# KiCad board kunji-patol-kicad.kicad_pcb
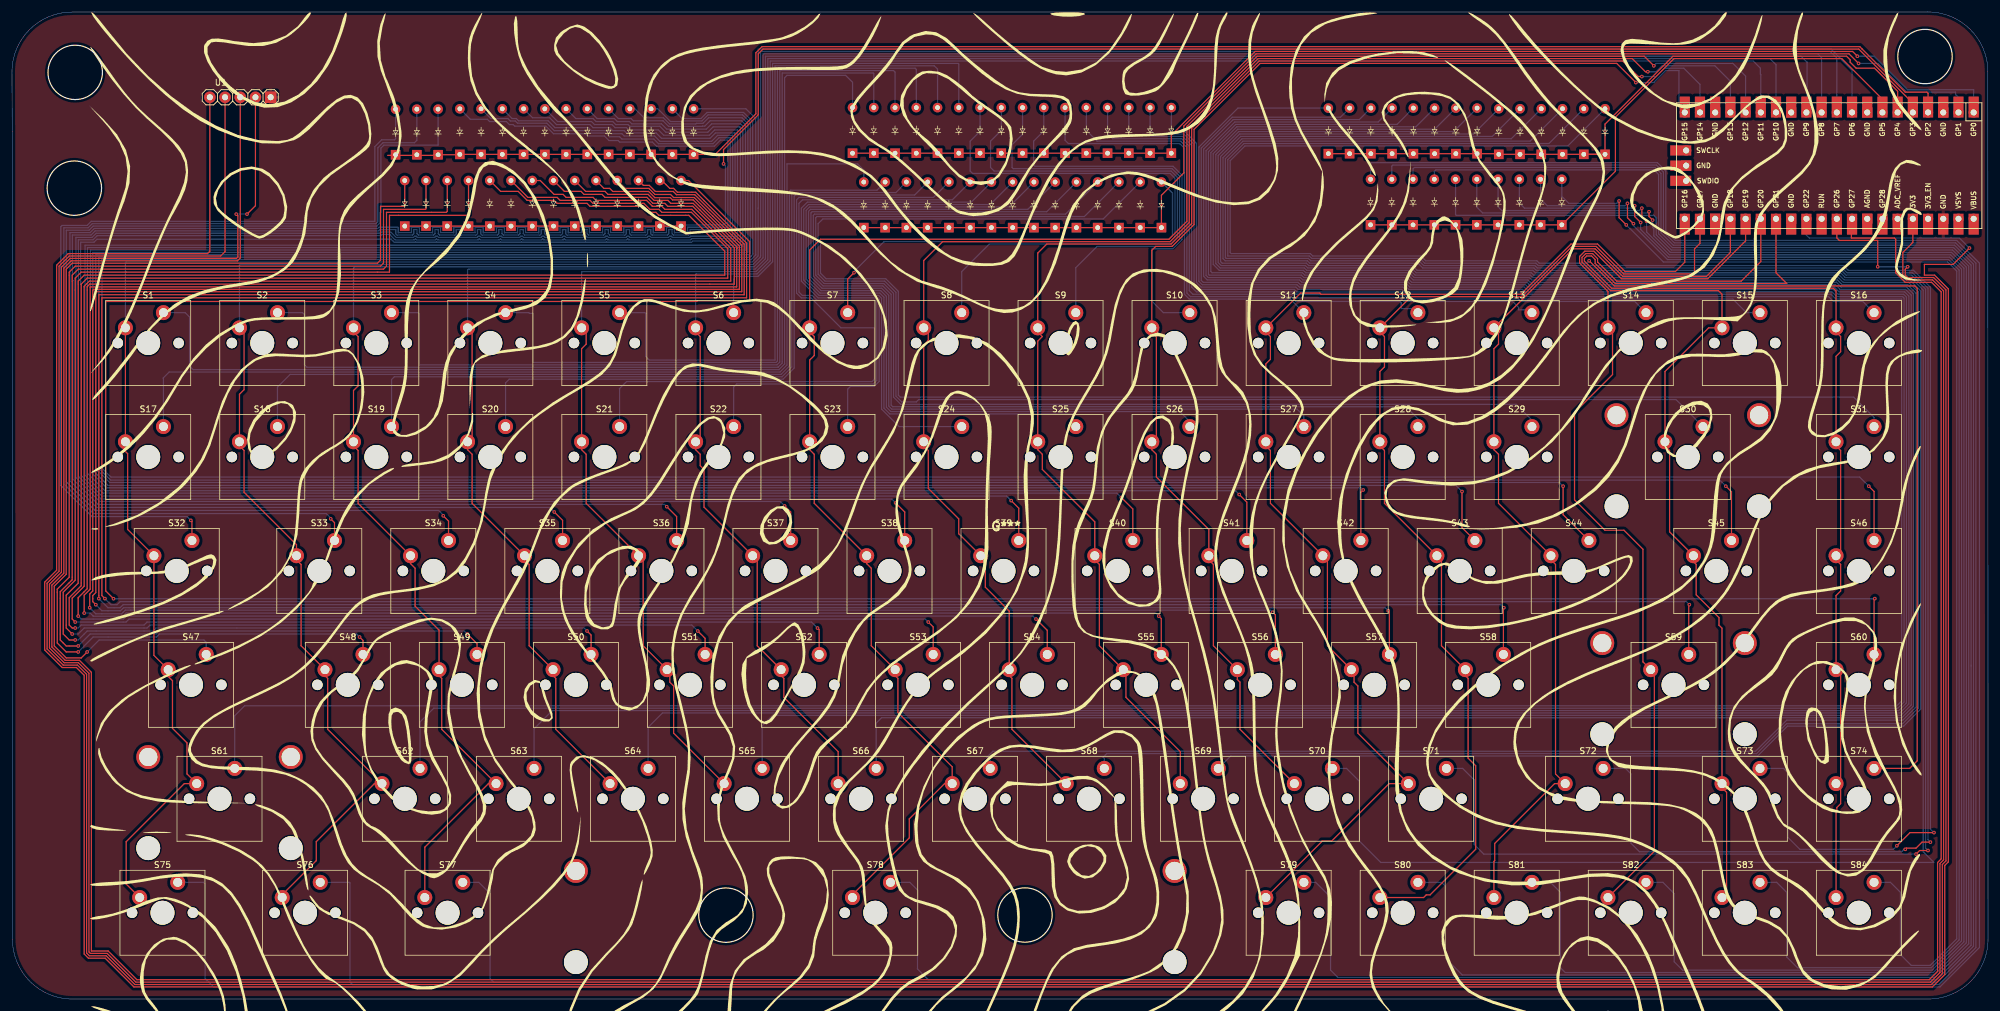
[diagram p0: board, top side]
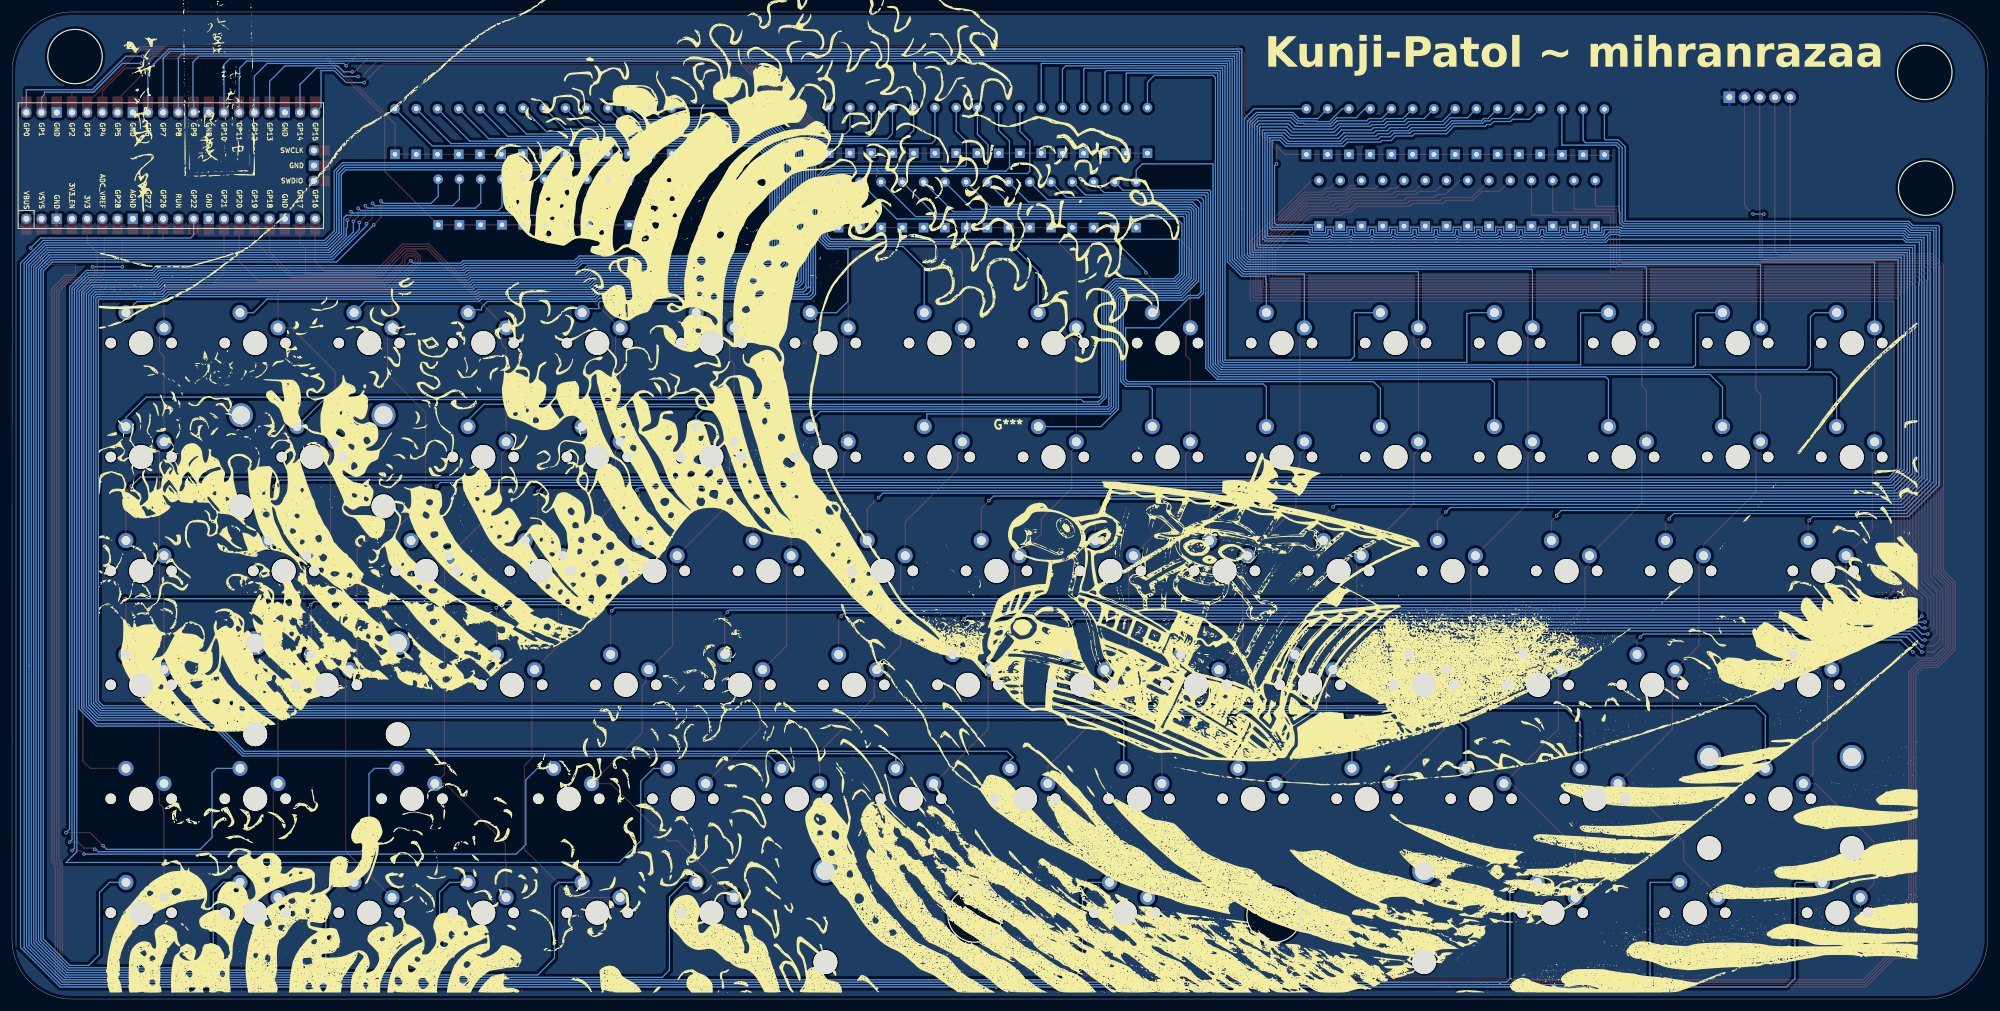
[diagram p1: board, bottom side, seen from below]

Outline 330.09 x 165.03 mm; copper layers: Top, Bottom. Coordinates in mm from the lower left corner of the outline.
Outline path: circle c10.42,135.57 r4.55 ; circle c10.56,154.93 r4.55 ; circle c119.26,14.03 r4.55 ; circle c169.22,14.05 r4.55 ; circle c319.56,157.57 r4.55 ; 0,155.01 arc(2.93,162.08) 10,165.01 10.13,165.03 320.06,165.03 arc(327.13,162.1) 330.06,155.03 330.09,10 arc(327.16,2.93) 320.09,0 10.08,0 arc(3.01,2.93) 0.08,10 0.03,145.01 0.03,145.08 0,155.01

## Placement (name value [footprint] x y rotation side)
D1  ~  [Diode_DO-35]  140.41 141.42 90 top
D2  ~  [Diode_DO-35]  143.96 141.42 90 top
D3  ~  [Diode_DO-35]  147.51 141.42 90 top
D4  ~  [Diode_DO-35]  151.06 141.42 90 top
D5  ~  [Diode_DO-35]  154.61 141.42 90 top
D6  ~  [Diode_DO-35]  158.16 141.42 90 top
D7  ~  [Diode_DO-35]  161.71 141.42 90 top
D8  ~  [Diode_DO-35]  165.26 141.42 90 top
D9  ~  [Diode_DO-35]  168.81 141.42 90 top
D10  ~  [Diode_DO-35]  172.36 141.42 90 top
D11  ~  [Diode_DO-35]  175.91 141.42 90 top
D12  ~  [Diode_DO-35]  179.46 141.42 90 top
D13  ~  [Diode_DO-35]  183.01 141.42 90 top
D14  ~  [Diode_DO-35]  186.56 141.42 90 top
D15  ~  [Diode_DO-35]  190.11 141.42 90 top
D16  ~  [Diode_DO-35]  193.66 141.42 90 top
D17  ~  [Diode_DO-35]  142.29 128.98 90 top
D18  ~  [Diode_DO-35]  145.86 128.98 90 top
D19  ~  [Diode_DO-35]  149.41 128.98 90 top
D20  ~  [Diode_DO-35]  152.96 128.98 90 top
D21  ~  [Diode_DO-35]  156.51 128.98 90 top
D22  ~  [Diode_DO-35]  160.06 128.98 90 top
D23  ~  [Diode_DO-35]  163.61 128.98 90 top
D24  ~  [Diode_DO-35]  167.16 128.98 90 top
D25  ~  [Diode_DO-35]  170.71 128.98 90 top
D26  ~  [Diode_DO-35]  174.26 128.98 90 top
D27  ~  [Diode_DO-35]  177.81 128.98 90 top
D28  ~  [Diode_DO-35]  181.36 128.98 90 top
D29  ~  [Diode_DO-35]  184.91 128.98 90 top
D30  ~  [Diode_DO-35]  188.46 128.98 90 top
D31  ~  [Diode_DO-35]  192.01 128.98 90 top
D32  ~  [Diode_DO-35]  64.08 141.16 90 top
D33  ~  [Diode_DO-35]  67.63 141.16 90 top
D34  ~  [Diode_DO-35]  71.18 141.16 90 top
D35  ~  [Diode_DO-35]  74.81 141.22 90 top
D36  ~  [Diode_DO-35]  78.36 141.22 90 top
D37  ~  [Diode_DO-35]  81.91 141.22 90 top
D38  ~  [Diode_DO-35]  85.46 141.22 90 top
D39  ~  [Diode_DO-35]  89.01 141.22 90 top
D40  ~  [Diode_DO-35]  92.56 141.22 90 top
D41  ~  [Diode_DO-35]  96.11 141.22 90 top
D42  ~  [Diode_DO-35]  99.66 141.22 90 top
D43  ~  [Diode_DO-35]  103.21 141.22 90 top
D44  ~  [Diode_DO-35]  106.76 141.22 90 top
D45  ~  [Diode_DO-35]  110.31 141.22 90 top
D46  ~  [Diode_DO-35]  113.86 141.22 90 top
D47  ~  [Diode_DO-35]  65.61 129.23 90 top
D48  ~  [Diode_DO-35]  69.16 129.23 90 top
D49  ~  [Diode_DO-35]  72.71 129.23 90 top
D50  ~  [Diode_DO-35]  76.26 129.23 90 top
D51  ~  [Diode_DO-35]  79.81 129.23 90 top
D52  ~  [Diode_DO-35]  83.36 129.23 90 top
D53  ~  [Diode_DO-35]  86.91 129.23 90 top
D54  ~  [Diode_DO-35]  90.46 129.23 90 top
D55  ~  [Diode_DO-35]  94.01 129.23 90 top
D56  ~  [Diode_DO-35]  97.56 129.23 90 top
D57  ~  [Diode_DO-35]  101.11 129.23 90 top
D58  ~  [Diode_DO-35]  104.66 129.23 90 top
D59  ~  [Diode_DO-35]  108.21 129.23 90 top
D60  ~  [Diode_DO-35]  111.76 129.23 90 top
D61  ~  [Diode_DO-35]  219.89 141.34 90 top
D62  ~  [Diode_DO-35]  223.44 141.34 90 top
D63  ~  [Diode_DO-35]  226.99 141.34 90 top
D64  ~  [Diode_DO-35]  230.54 141.34 90 top
D65  ~  [Diode_DO-35]  234.09 141.34 90 top
D66  ~  [Diode_DO-35]  237.64 141.34 90 top
D67  ~  [Diode_DO-35]  241.19 141.34 90 top
D68  ~  [Diode_DO-35]  244.74 141.34 90 top
D69  ~  [Diode_DO-35]  248.36 141.23 90 top
D70  ~  [Diode_DO-35]  251.91 141.23 90 top
D71  ~  [Diode_DO-35]  255.46 141.23 90 top
D72  ~  [Diode_DO-35]  259.01 141.23 90 top
D73  ~  [Diode_DO-35]  262.56 141.23 90 top
D74  ~  [Diode_DO-35]  266.11 141.23 90 top
D75  ~  [Diode_DO-35]  226.94 129.44 90 top
D76  ~  [Diode_DO-35]  230.49 129.44 90 top
D77  ~  [Diode_DO-35]  234.04 129.44 90 top
D78  ~  [Diode_DO-35]  237.59 129.44 90 top
D79  ~  [Diode_DO-35]  241.14 129.44 90 top
D80  ~  [Diode_DO-35]  244.69 129.44 90 top
D81  ~  [Diode_DO-35]  248.24 129.44 90 top
D82  ~  [Diode_DO-35]  251.79 129.44 90 top
D83  ~  [Diode_DO-35]  255.34 129.44 90 top
D84  ~  [Diode_DO-35]  258.89 129.44 90 top
G***  -  [LOGO]  166.06 79.03 0 top
G***#2  -  [LOGO]  163.66 96.03 180 bottom
S1  ~  [MX_PCB_1.00u]  22.76 109.68 0 top
S2  ~  [MX_PCB_1.00u]  41.81 109.68 0 top
S3  ~  [MX_PCB_1.00u]  60.86 109.68 0 top
S4  ~  [MX_PCB_1.00u]  79.91 109.68 0 top
S5  ~  [MX_PCB_1.00u]  98.96 109.68 0 top
S6  ~  [MX_PCB_1.00u]  118.01 109.68 0 top
S7  ~  [MX_PCB_1.00u]  137.06 109.68 0 top
S8  ~  [MX_PCB_1.00u]  156.11 109.68 0 top
S9  ~  [MX_PCB_1.00u]  175.16 109.68 0 top
S10  ~  [MX_PCB_1.00u]  194.21 109.68 0 top
S11  ~  [MX_PCB_1.00u]  213.26 109.68 0 top
S12  ~  [MX_PCB_1.00u]  232.31 109.68 0 top
S13  ~  [MX_PCB_1.00u]  251.36 109.68 0 top
S14  ~  [MX_PCB_1.00u]  270.41 109.68 0 top
S15  ~  [MX_PCB_1.00u]  289.46 109.68 0 top
S16  ~  [MX_PCB_1.00u]  308.51 109.68 0 top
S17  ~  [MX_PCB_1.00u]  22.76 90.63 0 top
S18  ~  [MX_PCB_1.00u]  41.81 90.63 0 top
S19  ~  [MX_PCB_1.00u]  60.86 90.63 0 top
S20  ~  [MX_PCB_1.00u]  79.91 90.63 0 top
S21  ~  [MX_PCB_1.00u]  98.96 90.63 0 top
S22  ~  [MX_PCB_1.00u]  118.01 90.63 0 top
S23  ~  [MX_PCB_1.00u]  137.06 90.63 0 top
S24  ~  [MX_PCB_1.00u]  156.11 90.63 0 top
S25  ~  [MX_PCB_1.00u]  175.16 90.63 0 top
S26  ~  [MX_PCB_1.00u]  194.21 90.63 0 top
S27  ~  [MX_PCB_1.00u]  213.26 90.63 0 top
S28  ~  [MX_PCB_1.00u]  232.31 90.63 0 top
S29  ~  [MX_PCB_1.00u]  251.36 90.63 0 top
S30  ~  [MX_PCB_2.00u]  279.94 90.63 0 top
S31  ~  [MX_PCB_1.00u]  308.51 90.63 0 top
S32  ~  [MX_PCB_1.50u]  27.52 71.58 0 top
S33  ~  [MX_PCB_1.00u]  51.34 71.58 0 top
S34  ~  [MX_PCB_1.00u]  70.39 71.58 0 top
S35  ~  [MX_PCB_1.00u]  89.44 71.58 0 top
S36  ~  [MX_PCB_1.00u]  108.49 71.58 0 top
S37  ~  [MX_PCB_1.00u]  127.54 71.58 0 top
S38  ~  [MX_PCB_1.00u]  146.59 71.58 0 top
S39  ~  [MX_PCB_1.00u]  165.64 71.58 0 top
S40  ~  [MX_PCB_1.00u]  184.69 71.58 0 top
S41  ~  [MX_PCB_1.00u]  203.74 71.58 0 top
S42  ~  [MX_PCB_1.00u]  222.79 71.58 0 top
S43  ~  [MX_PCB_1.00u]  241.84 71.58 0 top
S44  ~  [MX_PCB_1.00u]  260.89 71.58 0 top
S45  ~  [MX_PCB_1.50u]  284.7 71.58 0 top
S46  ~  [MX_PCB_1.00u]  308.51 71.58 0 top
S47  ~  [MX_PCB_1.75u]  29.9 52.53 0 top
S48  ~  [MX_PCB_1.00u]  56.1 52.53 0 top
S49  ~  [MX_PCB_1.00u]  75.15 52.53 0 top
S50  ~  [MX_PCB_1.00u]  94.2 52.53 0 top
S51  ~  [MX_PCB_1.00u]  113.25 52.53 0 top
S52  ~  [MX_PCB_1.00u]  132.3 52.53 0 top
S53  ~  [MX_PCB_1.00u]  151.35 52.53 0 top
S54  ~  [MX_PCB_1.00u]  170.4 52.53 0 top
S55  ~  [MX_PCB_1.00u]  189.45 52.53 0 top
S56  ~  [MX_PCB_1.00u]  208.5 52.53 0 top
S57  ~  [MX_PCB_1.00u]  227.55 52.53 0 top
S58  ~  [MX_PCB_1.00u]  246.6 52.53 0 top
S59  ~  [MX_PCB_2.25u]  277.55 52.53 0 top
S60  ~  [MX_PCB_1.00u]  308.51 52.53 0 top
S61  ~  [MX_PCB_2.25u]  34.67 33.48 0 top
S62  ~  [MX_PCB_1.00u]  65.62 33.48 0 top
S63  ~  [MX_PCB_1.00u]  84.67 33.48 0 top
S64  ~  [MX_PCB_1.00u]  103.72 33.48 0 top
S65  ~  [MX_PCB_1.00u]  122.77 33.48 0 top
S66  ~  [MX_PCB_1.00u]  141.82 33.48 0 top
S67  ~  [MX_PCB_1.00u]  160.87 33.48 0 top
S68  ~  [MX_PCB_1.00u]  179.92 33.48 0 top
S69  ~  [MX_PCB_1.00u]  198.97 33.48 0 top
S70  ~  [MX_PCB_1.00u]  218.02 33.48 0 top
S71  ~  [MX_PCB_1.00u]  237.07 33.48 0 top
S72  ~  [MX_PCB_1.75u]  263.27 33.48 0 top
S73  ~  [MX_PCB_1.00u]  289.46 33.48 0 top
S74  ~  [MX_PCB_1.00u]  308.51 33.48 0 top
S75  ~  [MX_PCB_1.25u]  25.14 14.43 0 top
S76  ~  [MX_PCB_1.25u]  48.95 14.43 0 top
S77  ~  [MX_PCB_1.25u]  72.77 14.43 0 top
S78  ~  [MX_PCB_6.25u]  144.2 14.43 0 top
S79  ~  [MX_PCB_1.00u]  213.26 14.43 0 top
S80  ~  [MX_PCB_1.00u]  232.31 14.43 0 top
S81  ~  [MX_PCB_1.00u]  251.36 14.43 0 top
S82  ~  [MX_PCB_1.00u]  270.41 14.43 0 top
S83  ~  [MX_PCB_1.00u]  289.46 14.43 0 top
S84  ~  [MX_PCB_1.00u]  308.51 14.43 0 top
S85  MX_stab  [STAB_MX_P_6.25u]  144.2 14.43 0 top
S86  MX_stab  [STAB_MX_P_2u]  279.94 90.63 0 top
S87  MX_stab  [STAB_MX_P_2u]  34.67 33.48 0 top
S88  MX_stab  [STAB_MX_P_2u]  277.55 52.53 0 top
U1  KY-040  [KY-040-PORT]  39.4 150.77 0 top
U2  -  [Raspberry_Pi_Pico]  303.56 139.34 270 top

## Library data of the parts
D1-D84 = -: ki_fp_filters: D*DO?35*
S85-S88 = -: Description: Cherry MX-style stabilizer
U1 = -: MF: Joy-IT; Description_1: KY-5.0-4P Green(RAL6018/T) ; CONTACT WITH TIN PLATED MARK; Package: Package; Price: None; SnapEDA_Link: https://www.snapeda.com/parts/KY-040/Joy-IT/view-part/?ref=snap; Availability: Not in stock; Check_prices: https://www.snapeda.com/parts/KY-040/Joy-IT/view-part/?ref=eda

## Footprints (pads in the part's own frame, mm; a bottom-side part is the same pattern mirrored in y, then rotated)
Diode_DO-35
  rect 1.6x1.6 hole 0.8: 1(0,0)
  oval 1.6x1.6 hole 0.8: 2(7.62,0)
KY-040-PORT
  round 1.93 hole 1.016: CLK(-6.35,0) DT(-3.81,0) SW(-1.27,0) VCC(1.27,0)
  rect 1.93x1.93 hole 1.016: GND(3.81,0)
MX_PCB_1.00u
  round 1.75 hole 1.75 unplated: (-5.08,0) (5.08,0)
  round 4 hole 4 unplated: (0,0)
  round 2.5 hole 1.5: 1(-3.81,2.54) 2(2.54,5.08)
MX_PCB_1.25u
  round 1.75 hole 1.75 unplated: (-5.08,0) (5.08,0)
  round 4 hole 4 unplated: (0,0)
  round 2.5 hole 1.5: 1(-3.81,2.54) 2(2.54,5.08)
MX_PCB_1.50u
  round 1.75 hole 1.75 unplated: (-5.08,0) (5.08,0)
  round 4 hole 4 unplated: (0,0)
  round 2.5 hole 1.5: 1(-3.81,2.54) 2(2.54,5.08)
MX_PCB_1.75u
  round 1.75 hole 1.75 unplated: (-5.08,0) (5.08,0)
  round 4 hole 4 unplated: (0,0)
  round 2.5 hole 1.5: 1(-3.81,2.54) 2(2.54,5.08)
MX_PCB_2.00u
  round 1.75 hole 1.75 unplated: (-5.08,0) (5.08,0)
  round 4 hole 4 unplated: (0,0)
  round 2.5 hole 1.5: 1(-3.81,2.54) 2(2.54,5.08)
MX_PCB_2.25u
  round 1.75 hole 1.75 unplated: (-5.08,0) (5.08,0)
  round 4 hole 4 unplated: (0,0)
  round 2.5 hole 1.5: 1(-3.81,2.54) 2(2.54,5.08)
MX_PCB_6.25u
  round 1.75 hole 1.75 unplated: (-5.08,0) (5.08,0)
  round 4 hole 4 unplated: (0,0)
  round 2.5 hole 1.5: 1(-3.81,2.54) 2(2.54,5.08)
Raspberry_Pi_Pico
  oval 1.7x1.7 hole 1.02: 1(-8.89,24.13) 2(-8.89,21.59) 4(-8.89,16.51) 5(-8.89,13.97) 6(-8.89,11.43) 7(-8.89,8.89) 9(-8.89,3.81) 10(-8.89,1.27) 11(-8.89,-1.27) 12(-8.89,-3.81) 14(-8.89,-8.89) 15(-8.89,-11.43) 16(-8.89,-13.97) 17(-8.89,-16.51) 19(-8.89,-21.59) 20(-8.89,-24.13) 21(8.89,-24.13) 22(8.89,-21.59) 24(8.89,-16.51) 25(8.89,-13.97) 26(8.89,-11.43) 27(8.89,-8.89) 29(8.89,-3.81) 30(8.89,-1.27) 31(8.89,1.27) 32(8.89,3.81) 34(8.89,8.89) 35(8.89,11.43) 36(8.89,13.97) 37(8.89,16.51) 39(8.89,21.59) 40(8.89,24.13) 41(-2.54,-23.9) 43(2.54,-23.9)
  rect 3.5x1.7 smd: 1(-8.89,24.13) 2(-8.89,21.59) 3(-8.89,19.05) 4(-8.89,16.51) 5(-8.89,13.97) 6(-8.89,11.43) 7(-8.89,8.89) 8(-8.89,6.35) 9(-8.89,3.81) 10(-8.89,1.27) 11(-8.89,-1.27) 12(-8.89,-3.81) 13(-8.89,-6.35) 14(-8.89,-8.89) 15(-8.89,-11.43) 16(-8.89,-13.97) 17(-8.89,-16.51) 18(-8.89,-19.05) 19(-8.89,-21.59) 20(-8.89,-24.13) 21(8.89,-24.13) 22(8.89,-21.59) 23(8.89,-19.05) 24(8.89,-16.51) 25(8.89,-13.97) 26(8.89,-11.43) 27(8.89,-8.89) 28(8.89,-6.35) 29(8.89,-3.81) 30(8.89,-1.27) 31(8.89,1.27) 32(8.89,3.81) 33(8.89,6.35) 34(8.89,8.89) 35(8.89,11.43) 36(8.89,13.97) 37(8.89,16.51) 38(8.89,19.05) 39(8.89,21.59) 40(8.89,24.13)
  rect 1.7x1.7 hole 1.02: 3(-8.89,19.05) 8(-8.89,6.35) 13(-8.89,-6.35) 18(-8.89,-19.05) 23(8.89,-19.05) 28(8.89,-6.35) 33(8.89,6.35) 38(8.89,19.05) 42(0,-23.9)
  rect 1.7x3.5 smd: 41(-2.54,-23.9) 42(0,-23.9) 43(2.54,-23.9)
STAB_MX_P_2u
  round 4 hole 3.048: (-11.906,6.985) (11.906,6.985)
  round 3.988 hole 3.988 unplated: (-11.906,-8.255) (11.906,-8.255)
STAB_MX_P_6.25u
  round 4 hole 3.048: (-50.006,6.985) (50.006,6.985)
  round 3.988 hole 3.988 unplated: (-50.006,-8.255) (50.006,-8.255)

## Nets
+3V3: U1.VCC U2.36
GND: U1.GND U2.38
clk: U1.CLK U2.29
col 0: S1.1 S17.1 S32.1 S47.1 S61.1 S75.1 U2.9
col 1: S2.1 S18.1 S33.1 S48.1 S62.1 S76.1 U2.10
col 2: S3.1 S19.1 S34.1 S49.1 S63.1 S77.1 U2.11
col 3: S4.1 S20.1 S35.1 S50.1 S64.1 U2.12
col 4: S5.1 S21.1 S36.1 S51.1 S65.1 U2.14
col 5: S6.1 S22.1 S37.1 S52.1 S66.1 U2.15
col 6: S7.1 S23.1 S38.1 S53.1 S67.1 S78.1 U2.16
col 7: S8.1 S24.1 S39.1 S54.1 S68.1 U2.17
col 8: S9.1 S25.1 S40.1 S55.1 S69.1 U2.19
col 9: S10.1 S26.1 S41.1 S56.1 S70.1 U2.20
col 10: S11.1 S27.1 S42.1 S57.1 S71.1 S79.1 U2.21
col 11: S12.1 S28.1 S43.1 S58.1 S80.1 U2.22
col 12: S13.1 S29.1 S44.1 S72.1 S81.1 U2.24
col 13: S14.1 S59.1 S82.1 U2.25
col 14: S15.1 S30.1 S45.1 S73.1 S83.1 U2.26
col 15: S16.1 S31.1 S46.1 S60.1 S74.1 S84.1 U2.27
dt: U1.DT U2.31
row 0: D1.1 D2.1 D3.1 D4.1 D5.1 D6.1 D7.1 D8.1 D9.1 D10.1 D11.1 D12.1 D13.1 D14.1 D15.1 D16.1 U2.1
row 1: D17.1 D18.1 D19.1 D20.1 D21.1 D22.1 D23.1 D24.1 D25.1 D26.1 D27.1 D28.1 D29.1 D30.1 D31.1 U2.2
row 2: D32.1 D33.1 D34.1 D35.1 D36.1 D37.1 D38.1 D39.1 D40.1 D41.1 D42.1 D43.1 D44.1 D45.1 D46.1 U2.4
row 3: D47.1 D48.1 D49.1 D50.1 D51.1 D52.1 D53.1 D54.1 D55.1 D56.1 D57.1 D58.1 D59.1 D60.1 U2.5
row 4: D61.1 D62.1 D63.1 D64.1 D65.1 D66.1 D67.1 D68.1 D69.1 D70.1 D71.1 D72.1 D73.1 D74.1 U2.6
row 5: D75.1 D76.1 D77.1 D78.1 D79.1 D80.1 D81.1 D82.1 D83.1 D84.1 U2.7
sw: U1.SW U2.32
Net-(D1-A): D1.2 S1.2
Net-(D2-A): D2.2 S2.2
Net-(D3-A): D3.2 S3.2
Net-(D4-A): D4.2 S4.2
Net-(D5-A): D5.2 S5.2
Net-(D6-A): D6.2 S6.2
Net-(D7-A): D7.2 S7.2
Net-(D8-A): D8.2 S8.2
Net-(D9-A): D9.2 S9.2
Net-(D10-A): D10.2 S10.2
Net-(D11-A): D11.2 S11.2
Net-(D12-A): D12.2 S12.2
Net-(D13-A): D13.2 S13.2
Net-(D14-A): D14.2 S14.2
Net-(D15-A): D15.2 S15.2
Net-(D16-A): D16.2 S16.2
Net-(D17-A): D17.2 S17.2
Net-(D18-A): D18.2 S18.2
Net-(D19-A): D19.2 S19.2
Net-(D20-A): D20.2 S20.2
Net-(D21-A): D21.2 S21.2
Net-(D22-A): D22.2 S22.2
Net-(D23-A): D23.2 S23.2
Net-(D24-A): D24.2 S24.2
Net-(D25-A): D25.2 S25.2
Net-(D26-A): D26.2 S26.2
Net-(D27-A): D27.2 S27.2
Net-(D28-A): D28.2 S28.2
Net-(D29-A): D29.2 S29.2
Net-(D30-A): D30.2 S30.2
Net-(D31-A): D31.2 S31.2
Net-(D32-A): D32.2 S32.2
Net-(D33-A): D33.2 S33.2
Net-(D34-A): D34.2 S34.2
Net-(D35-A): D35.2 S35.2
Net-(D36-A): D36.2 S36.2
Net-(D37-A): D37.2 S37.2
Net-(D38-A): D38.2 S38.2
Net-(D39-A): D39.2 S39.2
Net-(D40-A): D40.2 S40.2
Net-(D41-A): D41.2 S41.2
Net-(D42-A): D42.2 S42.2
Net-(D43-A): D43.2 S43.2
Net-(D44-A): D44.2 S44.2
Net-(D45-A): D45.2 S45.2
Net-(D46-A): D46.2 S46.2
Net-(D47-A): D47.2 S47.2
Net-(D48-A): D48.2 S48.2
Net-(D49-A): D49.2 S49.2
Net-(D50-A): D50.2 S50.2
Net-(D51-A): D51.2 S51.2
Net-(D52-A): D52.2 S52.2
Net-(D53-A): D53.2 S53.2
Net-(D54-A): D54.2 S54.2
Net-(D55-A): D55.2 S55.2
Net-(D56-A): D56.2 S56.2
Net-(D57-A): D57.2 S57.2
Net-(D58-A): D58.2 S58.2
Net-(D59-A): D59.2 S59.2
Net-(D60-A): D60.2 S60.2
Net-(D61-A): D61.2 S61.2
Net-(D62-A): D62.2 S62.2
Net-(D63-A): D63.2 S63.2
Net-(D64-A): D64.2 S64.2
Net-(D65-A): D65.2 S65.2
Net-(D66-A): D66.2 S66.2
Net-(D67-A): D67.2 S67.2
Net-(D68-A): D68.2 S68.2
Net-(D69-A): D69.2 S69.2
Net-(D70-A): D70.2 S70.2
Net-(D71-A): D71.2 S71.2
Net-(D72-A): D72.2 S72.2
Net-(D73-A): D73.2 S73.2
Net-(D74-A): D74.2 S74.2
Net-(D75-A): D75.2 S75.2
Net-(D76-A): D76.2 S76.2
Net-(D77-A): D77.2 S77.2
Net-(D78-A): D78.2 S78.2
Net-(D79-A): D79.2 S79.2
Net-(D80-A): D80.2 S80.2
Net-(D81-A): D81.2 S81.2
Net-(D82-A): D82.2 S82.2
Net-(D83-A): D83.2 S83.2
Net-(D84-A): D84.2 S84.2

Pads without a net: U2 3 8 13 18 23 28 30 33 34 35 37 39 40 41 42 43

## Via types
v1: diameter 0.6, hole 0.3, Top to Bottom, 72 vias

## Routing (per net, layer and track width the routed paths; a pad name or vN(x,y) marks a point on that pad's centre or on a via; arc(x,y) is an arc through that point)
+3V3: length 623.1
  Top w0.2: U1.VCC 40.67,132.64 v1(39.26,131.23) ; v1(37.46,131.23) 37.73,130.96 37.73,124.06 37.5,123.83 9.73,123.83 8.26,122.36 8.26,71.36 6.26,69.36 6.26,58.7 8.73,56.23 11.1,56.23 12.86,54.46 12.86,7.86 13.1,7.63 15.9,7.63 20.7,2.83 320.46,2.83 322.06,4.43 322.06,22.66 322.66,23.26 322.66,118.39 320.83,120.23 316.46,120.23 315.86,120.83 315.86,124.83 317.53,126.5 U2.36
  Bottom w0.2: v1(39.26,131.23) v1(37.46,131.23)
clk: length 647.6
  Top w0.2: v1(326.99,125.55) 324.26,122.83 319.46,122.83 319.46,121.03 321.16,121.03 323.46,118.73 323.46,22.93 322.86,22.33 322.86,4.1 320.79,2.03 20.36,2.03 15.56,6.83 12.76,6.83 12.06,7.53 12.06,54.13 10.76,55.43 8.4,55.43 5.46,58.37 5.46,69.69 7.46,71.69 7.46,122.69 9.4,124.63 32.66,124.63 33.05,125.02 U1.CLK 33.05,150.82
  Bottom w0.2: U2.29 299.75,127.92 299.66,127.83 300.26,127.23 325.31,127.23 v1(326.99,125.55)
col 0: length 450.1
  Top w0.2: S75.1 19.08,19.22 19.08,26.31 28.79,36.02 S61.1 29.24,37.63 29.24,42.82 26.81,45.25 26.81,53.22 26.09,53.94 S47.1 23.71,57.45 S32.1 19.32,78.51 19.32,91.18 18.95,91.55 S17.1 S1.1
  Bottom w0.2: U2.9 307.37,155.32 303.86,158.83 124.66,158.83 124.66,132.25 124.64,132.23 124.64,124.24 123.63,123.23 19.06,123.23 18.95,123.12 S1.1
col 1: length 435.2
  Top w0.2: S2.1 38.77,111.45 38.77,101.87 38,101.11 S18.1 38,92.48 38.77,91.71 38.77,84.73 47.53,75.97 S33.1 47.53,73.43 48.29,72.66 48.29,59.07 S48.1 52.29,54.06 52.74,53.61 52.74,45.1 S62.1 60.54,36.02 50.83,26.31 50.83,23.13 45.14,17.45 S76.1
  Bottom w0.2: U2.10 304.83,157.29 303.7,158.43 125.06,158.43 125.06,124.25 125.04,124.23 125.04,124.08 123.79,122.83 38.06,122.83 38,122.77 S2.1
col 2: length 410.9
  Top w0.2: S3.1 57.05,111.53 57.82,110.76 57.82,102.51 57.05,101.74 S19.1 57.05,92.48 57.82,91.71 57.82,82.88 S34.1 66.58,72.8 67.34,72.03 67.34,65.68 71.34,61.68 S49.1 71.34,54.06 71.79,53.61 71.79,45.1 S63.1 79.59,36.02 68.96,25.38 S77.1
  Bottom w0.2: S3.1 57.05,122.22 57.26,122.43 123.46,122.43 123.96,122.43 125.46,123.93 125.46,158.03 301.66,158.03 302.29,157.4 U2.11
col 3: length 363.6
  Top w0.2: S64.1 90.84,45.1 90.84,53.61 90.39,54.06 S50.1 86.39,59.07 86.39,72.66 85.63,73.43 S35.1 76.87,82.88 76.87,91.08 76.1,91.85 S20.1 76.87,93.94 76.87,111.45 S4.1
  Bottom w0.2: S4.1 76.1,121.87 76.26,122.03 124.12,122.03 125.86,123.77 125.86,157.63 298.86,157.63 299.86,156.63 299.86,150.23 299.75,150.12 U2.12
col 4: length 338.4
  Top w0.2: S5.1 95.92,111.45 95.92,109.49 95.15,108.73 S21.1 95.15,91.85 95.92,91.08 95.92,82.88 S36.1 105.44,73.35 105.44,59.07 S51.1 109.89,54.62 109.89,52.98 110.52,52.34 110.52,44.46 S65.1
  Bottom w0.2: U2.14 294.67,156.22 293.66,157.23 126.26,157.23 126.26,123.6 124.29,121.63 95.26,121.63 95.15,121.52 S5.1
col 5: length 315.8
  Top w0.2: S66.1 138.01,41.36 128.94,50.44 128.94,53.61 128.49,54.06 S52.1 124.49,59.07 124.49,73.35 S37.1 115.6,82.24 115.6,88.54 114.97,89.17 114.97,91.08 114.2,91.85 S22.1 114.97,93.94 114.97,110.76 114.2,111.53 S6.1
  Bottom w0.2: U2.15 292.13,154.56 292.06,154.63 292.06,155.63 290.86,156.83 126.66,156.83 126.66,123.44 124.45,121.23 114.26,121.23 114.2,121.17 S6.1
col 6: length 313.3
  Top w0.2: v1(274.26,156.03) 272.66,157.63 207.99,157.63 196.26,145.9 196.26,130.03 193.26,127.03 135.06,127.03 133.26,125.23 133.26,112.23 S7.1 133.25,111.53 134.02,110.76 134.02,107.59 133.25,106.82 S23.1 133.25,91.85 134.02,91.08 134.02,82.88 S38.1 142.78,72.8 143.54,72.03 143.54,59.07 S53.1 147.54,54.06 147.99,53.61 147.99,47.9 157.06,38.82 S67.1 155.79,36.02 149.89,30.12 149.89,26.94 140.35,17.4 140.35,17.01 S78.1
  Bottom w0.2: v1(274.26,156.03) 274.66,156.43 287.46,156.43 289.59,154.3 U2.16
col 7: length 263.6
  Top w0.2: S68.1 167.04,45.1 167.04,53.61 166.59,54.06 S54.1 166.59,64.86 162.59,68.85 162.59,73.35 S39.1 158.15,77.8 158.15,80.28 153.07,85.36 153.07,91.71 152.3,92.48 S24.1 152.3,109.36 153.07,110.13 153.07,111.45 S8.1 152.3,123.47 155.46,126.63 193.46,126.63 196.66,129.83 196.66,145.73 208.16,157.23 270.66,157.23 272.86,155.03 v1(273.26,155.03)
  Bottom w0.2: v1(273.26,155.03) 274.66,155.03 275.66,156.03 284.46,156.03 287.06,153.43 287.05,153.42 U2.17
col 8: length 239.9
  Top w0.2: v1(272.26,154.23) 271.66,154.23 269.06,156.83 208.32,156.83 197.06,145.57 197.06,129.66 193.63,126.23 172.86,126.23 171.35,124.72 S9.1 171.35,111.53 172.12,110.76 171.35,110 S25.1 171.35,91.85 172.12,91.08 172.12,88.54 180.88,79.78 S40.1 180.88,73.43 181.64,72.66 181.64,59.07 S55.1 186.09,54.62 186.09,50.44 195.16,41.36 S69.1
  Bottom w0.2: U2.19 281.97,152.92 279.26,155.63 276.06,155.63 274.66,154.23 v1(272.26,154.23)
col 9: length 219.5
  Top w0.2: v1(271.26,153.23) 268.06,156.43 208.49,156.43 197.46,145.4 197.46,129.5 193.79,125.83 191.06,125.83 190.4,125.17 S10.1 190.4,111.53 191.17,110.76 191.17,93.94 S26.1 190.4,91.85 191.17,91.08 191.17,87.27 199.93,78.51 S41.1 199.93,73.43 200.69,72.66 200.69,59.07 S56.1 204.69,53.43 205.14,52.98 205.14,45.1 S70.1
  Bottom w0.2: v1(271.26,153.23) 274.26,153.23 276.26,155.23 278.46,155.23 278.46,149.2 U2.20
col 10: length 204.2
  Top w0.2: U2.21 279.43,123.2 277.86,121.63 269.46,121.63 264.86,126.23 260.43,126.23 252.03,117.83 218.66,117.83 218.46,118.03 215.26,118.03 S11.1 209.45,111.53 210.22,110.76 210.22,106.95 209.45,106.19 S27.1 209.45,92.48 210.22,91.71 210.22,82.88 S42.1 219.74,73.35 219.74,59.07 S57.1 224.19,54.62 224.19,52.98 224.82,52.34 224.82,44.46 S71.1 230.07,36.02 230.06,36.03 220.46,26.43 218.86,26.43 218.86,26.38 S79.1
col 11: length 183.5